# KiCad board pedalboard-display.kicad_pcb
title: Pedalboard Display; date: 2024-10-16; rev: 1.0.1-RC; company: https://github.com/pedalboard; note: Source Code: https://github.com/pedalboard/pedalboard-display; note: License: CERN Open Hardware Licence Version 2 - Permissive; note: Git commit: ${GIT_HASH}
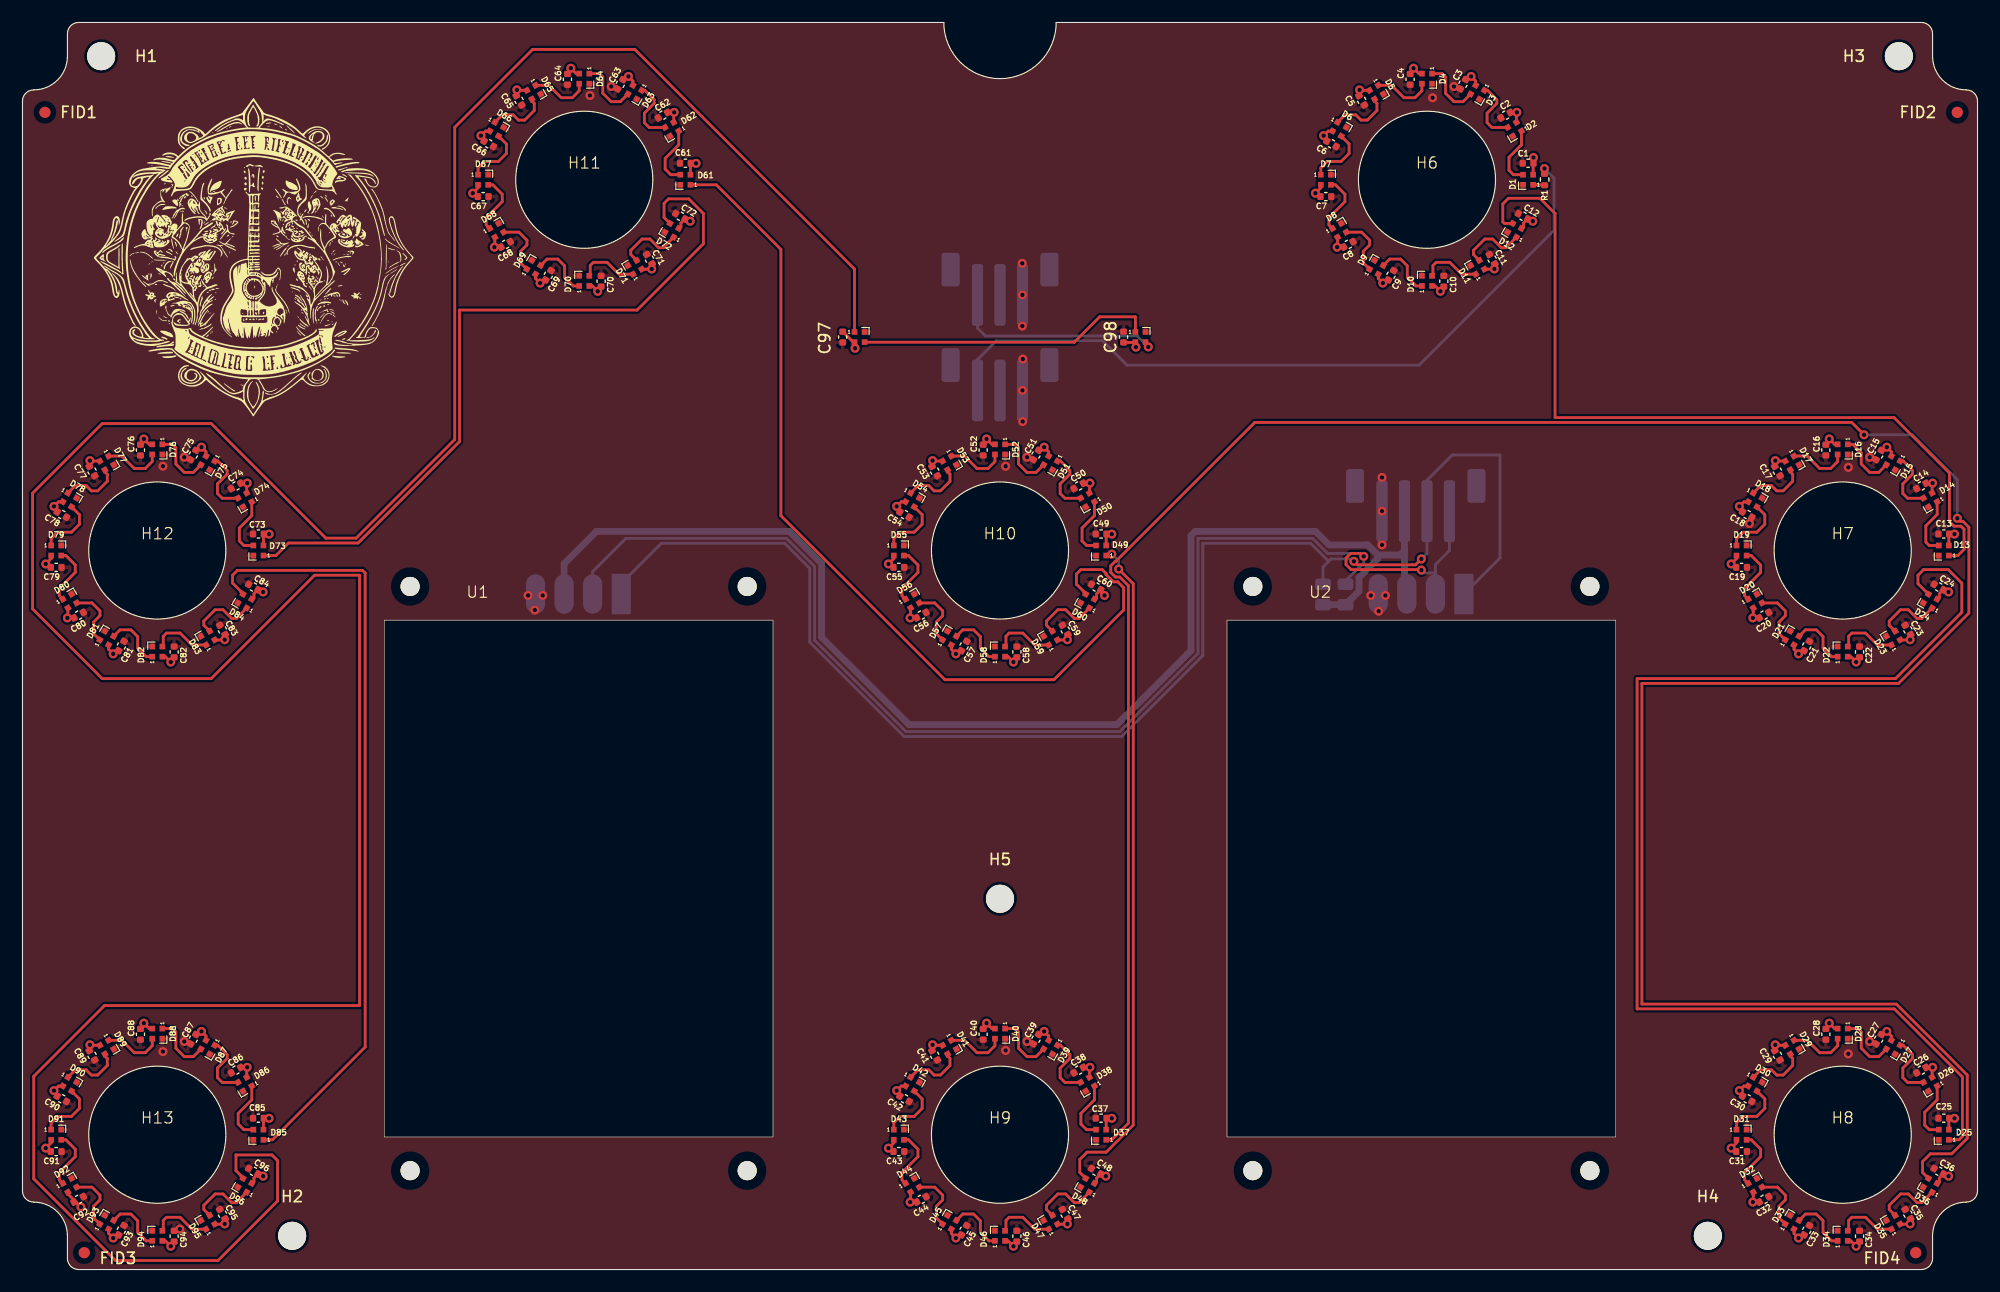
[diagram p0: board, top side]
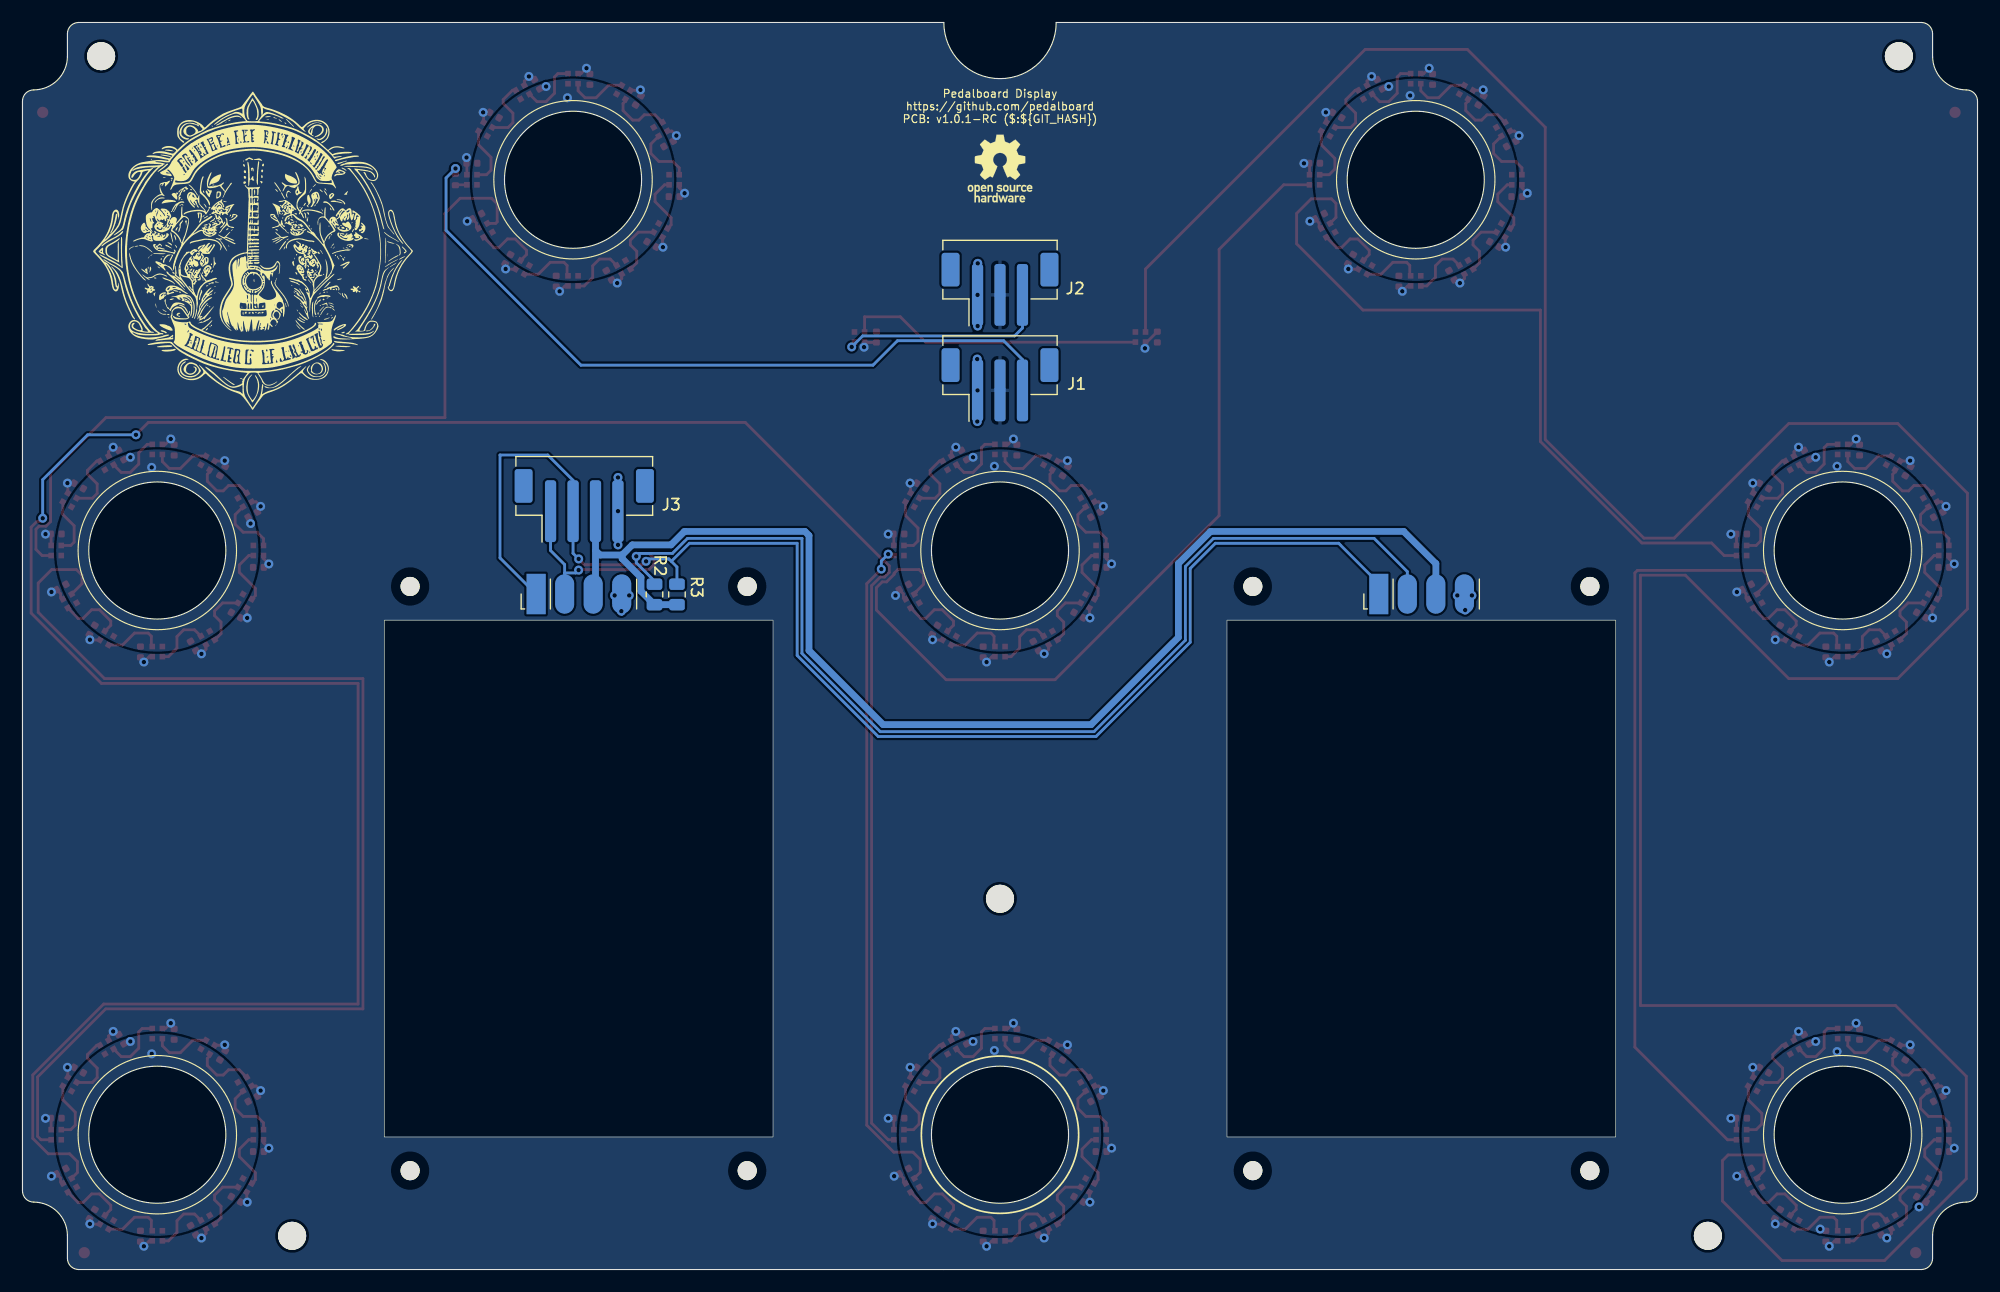
[diagram p1: board, bottom side, seen from below]

Outline 174 x 111 mm; copper layers: Top, Bottom. Coordinates in mm from the lower left corner of the outline.
Outline path: circle c12,64 r6.1 ; circle c12,12 r6.1 ; circle c50,97 r6.1 ; circle c87,64 r6.1 ; circle c87,12 r6.1 ; circle c125,97 r6.1 ; circle c162,64 r6.1 ; circle c162,12 r6.1 ; 0,104 arc(0.29,104.71) 1,105 arc(3.12,105.88) 4,108 4,110 arc(4.29,110.71) 5,111 82,111 arc(87,106) 92,111 169,111 arc(169.71,110.71) 170,110 170,108 arc(170.88,105.88) 173,105 arc(173.71,104.71) 174,104 174,7 arc(173.71,6.29) 173,6 arc(170.88,5.12) 170,3 170,1 arc(169.71,0.29) 169,0 5,0 arc(4.29,0.29) 4,1 4,3 arc(3.12,5.12) 1,6 arc(0.29,6.29) 0,7 0,104
Stack: Top 0.035mm / dielectric 1.51mm FR4 er 4.5 / Bottom 0.035mm

## Placement (name value [footprint] x y rotation side)
C1  1uF  [C_0402_1005Metric]  134 98.47 180 top
C2  1uF  [C_0402_1005Metric]  132 102.75 210 top
C3  1uF  [C_0402_1005Metric]  128.2 105.5 240 top
C4  1uF  [C_0402_1005Metric]  123.5 105.94 270 top
C5  1uF  [C_0402_1005Metric]  119.19 104.07 300 top
C6  1uF  [C_0402_1005Metric]  116.5 100.2 330 top
C7  1uF  [C_0402_1005Metric]  116 95.5 0 top
C8  1uF  [C_0402_1005Metric]  118 91.25 30 top
C9  1uF  [C_0402_1005Metric]  121.8 88.5 60 top
C10  1uF  [C_0402_1005Metric]  126.5 87.97 90 top
C11  1uF  [C_0402_1005Metric]  130.8 89.93 120 top
C12  1uF  [C_0402_1005Metric]  133.55 93.75 150 top
C13  1uF  [C_0402_1005Metric]  171 65.47 180 top
C14  1uF  [C_0402_1005Metric]  169 69.75 210 top
C15  1uF  [C_0402_1005Metric]  165.2 72.5 240 top
C16  1uF  [C_0402_1005Metric]  160.5 72.94 270 top
C17  1uF  [C_0402_1005Metric]  156.19 71.07 300 top
C18  1uF  [C_0402_1005Metric]  153.5 67.2 330 top
C19  1uF  [C_0402_1005Metric]  153 62.5 0 top
C20  1uF  [C_0402_1005Metric]  155 58.25 30 top
C21  1uF  [C_0402_1005Metric]  158.8 55.5 60 top
C22  1uF  [C_0402_1005Metric]  163.5 54.97 90 top
C23  1uF  [C_0402_1005Metric]  167.8 56.93 120 top
C24  1uF  [C_0402_1005Metric]  170.55 60.75 150 top
C25  1uF  [C_0402_1005Metric]  171 13.47 180 top
C26  1uF  [C_0402_1005Metric]  169 17.75 210 top
C27  1uF  [C_0402_1005Metric]  165.2 20.5 240 top
C28  1uF  [C_0402_1005Metric]  160.5 20.94 270 top
C29  1uF  [C_0402_1005Metric]  156.19 19.07 300 top
C30  1uF  [C_0402_1005Metric]  153.5 15.2 330 top
C31  1uF  [C_0402_1005Metric]  153 10.5 0 top
C32  1uF  [C_0402_1005Metric]  155 6.25 30 top
C33  1uF  [C_0402_1005Metric]  158.8 3.5 60 top
C34  1uF  [C_0402_1005Metric]  163.5 2.97 90 top
C35  1uF  [C_0402_1005Metric]  167.8 4.93 120 top
C36  1uF  [C_0402_1005Metric]  170.55 8.75 150 top
C37  1uF  [C_0402_1005Metric]  96 13.47 180 top
C38  1uF  [C_0402_1005Metric]  94 17.75 210 top
C39  1uF  [C_0402_1005Metric]  90.2 20.5 240 top
C40  1uF  [C_0402_1005Metric]  85.5 20.94 270 top
C41  1uF  [C_0402_1005Metric]  81.19 19.07 300 top
C42  1uF  [C_0402_1005Metric]  78.5 15.2 330 top
C43  1uF  [C_0402_1005Metric]  78 10.5 0 top
C44  1uF  [C_0402_1005Metric]  80 6.25 30 top
C45  1uF  [C_0402_1005Metric]  83.8 3.5 60 top
C46  1uF  [C_0402_1005Metric]  88.5 2.97 90 top
C47  1uF  [C_0402_1005Metric]  92.8 4.93 120 top
C48  1uF  [C_0402_1005Metric]  95.55 8.75 150 top
C49  1uF  [C_0402_1005Metric]  96 65.47 180 top
C50  1uF  [C_0402_1005Metric]  94 69.75 210 top
C51  1uF  [C_0402_1005Metric]  90.2 72.5 240 top
C52  1uF  [C_0402_1005Metric]  85.5 72.94 270 top
C53  1uF  [C_0402_1005Metric]  81.19 71.07 300 top
C54  1uF  [C_0402_1005Metric]  78.5 67.2 330 top
C55  1uF  [C_0402_1005Metric]  78 62.5 0 top
C56  1uF  [C_0402_1005Metric]  80 58.25 30 top
C57  1uF  [C_0402_1005Metric]  83.8 55.5 60 top
C58  1uF  [C_0402_1005Metric]  88.5 54.97 90 top
C59  1uF  [C_0402_1005Metric]  92.8 56.93 120 top
C60  1uF  [C_0402_1005Metric]  95.55 60.75 150 top
C61  1uF  [C_0402_1005Metric]  59 98.47 180 top
C62  1uF  [C_0402_1005Metric]  57 102.75 210 top
C63  1uF  [C_0402_1005Metric]  53.2 105.5 240 top
C64  1uF  [C_0402_1005Metric]  48.5 105.94 270 top
C65  1uF  [C_0402_1005Metric]  44.19 104.07 300 top
C66  1uF  [C_0402_1005Metric]  41.5 100.2 330 top
C67  1uF  [C_0402_1005Metric]  41 95.5 0 top
C68  1uF  [C_0402_1005Metric]  43 91.25 30 top
C69  1uF  [C_0402_1005Metric]  46.8 88.5 60 top
C70  1uF  [C_0402_1005Metric]  51.5 87.97 90 top
C71  1uF  [C_0402_1005Metric]  55.8 89.93 120 top
C72  1uF  [C_0402_1005Metric]  58.55 93.75 150 top
C73  1uF  [C_0402_1005Metric]  21 65.47 180 top
C74  1uF  [C_0402_1005Metric]  19 69.75 210 top
C75  1uF  [C_0402_1005Metric]  15.2 72.5 240 top
C76  1uF  [C_0402_1005Metric]  10.5 72.94 270 top
C77  1uF  [C_0402_1005Metric]  6.19 71.07 300 top
C78  1uF  [C_0402_1005Metric]  3.5 67.2 330 top
C79  1uF  [C_0402_1005Metric]  3 62.5 0 top
C80  1uF  [C_0402_1005Metric]  5 58.25 30 top
C81  1uF  [C_0402_1005Metric]  8.8 55.5 60 top
C82  1uF  [C_0402_1005Metric]  13.5 54.97 90 top
C83  1uF  [C_0402_1005Metric]  17.8 56.93 120 top
C84  1uF  [C_0402_1005Metric]  20.55 60.75 150 top
C85  1uF  [C_0402_1005Metric]  21 13.47 180 top
C86  1uF  [C_0402_1005Metric]  19 17.75 210 top
C87  1uF  [C_0402_1005Metric]  15.2 20.5 240 top
C88  1uF  [C_0402_1005Metric]  10.5 20.94 270 top
C89  1uF  [C_0402_1005Metric]  6.19 19.07 300 top
C90  1uF  [C_0402_1005Metric]  3.5 15.2 330 top
C91  1uF  [C_0402_1005Metric]  3 10.5 0 top
C92  1uF  [C_0402_1005Metric]  5 6.25 30 top
C93  1uF  [C_0402_1005Metric]  8.8 3.5 60 top
C94  1uF  [C_0402_1005Metric]  13.5 2.97 90 top
C95  1uF  [C_0402_1005Metric]  17.8 4.93 120 top
C96  1uF  [C_0402_1005Metric]  20.55 8.75 150 top
C97  1uF  [C_0402_1005Metric]  73 83 270 top
C98  1uF  [C_0402_1005Metric]  98 83 90 top
D1  SK6812_EC15  [LED_SK6812_EC15_1.5x1.5mm#2]  134 97 180 top
D2  SK6812_EC15  [LED_SK6812_EC15_1.5x1.5mm]  132.79 101.5 210 top
D3  SK6812_EC15  [LED_SK6812_EC15_1.5x1.5mm#3]  129.5 104.79 240 top
D4  SK6812_EC15  [LED_SK6812_EC15_1.5x1.5mm#2]  125 106 270 top
D5  SK6812_EC15  [LED_SK6812_EC15_1.5x1.5mm]  120.5 104.79 300 top
D6  SK6812_EC15  [LED_SK6812_EC15_1.5x1.5mm#3]  117.21 101.5 330 top
D7  SK6812_EC15  [LED_SK6812_EC15_1.5x1.5mm#2]  116 97 0 top
D8  SK6812_EC15  [LED_SK6812_EC15_1.5x1.5mm]  117.21 92.5 30 top
D9  SK6812_EC15  [LED_SK6812_EC15_1.5x1.5mm#3]  120.5 89.21 60 top
D10  SK6812_EC15  [LED_SK6812_EC15_1.5x1.5mm#2]  125 88 90 top
D11  SK6812_EC15  [LED_SK6812_EC15_1.5x1.5mm]  129.5 89.21 120 top
D12  SK6812_EC15  [LED_SK6812_EC15_1.5x1.5mm#3]  132.79 92.5 150 top
D13  SK6812_EC15  [LED_SK6812_EC15_1.5x1.5mm#2]  171 64 180 top
D14  SK6812_EC15  [LED_SK6812_EC15_1.5x1.5mm]  169.79 68.5 210 top
D15  SK6812_EC15  [LED_SK6812_EC15_1.5x1.5mm#3]  166.5 71.79 240 top
D16  SK6812_EC15  [LED_SK6812_EC15_1.5x1.5mm#2]  162 73 270 top
D17  SK6812_EC15  [LED_SK6812_EC15_1.5x1.5mm]  157.5 71.79 300 top
D18  SK6812_EC15  [LED_SK6812_EC15_1.5x1.5mm#3]  154.21 68.5 330 top
D19  SK6812_EC15  [LED_SK6812_EC15_1.5x1.5mm#2]  153 64 0 top
D20  SK6812_EC15  [LED_SK6812_EC15_1.5x1.5mm]  154.21 59.5 30 top
D21  SK6812_EC15  [LED_SK6812_EC15_1.5x1.5mm#3]  157.5 56.21 60 top
D22  SK6812_EC15  [LED_SK6812_EC15_1.5x1.5mm#2]  162 55 90 top
D23  SK6812_EC15  [LED_SK6812_EC15_1.5x1.5mm]  166.5 56.21 120 top
D24  SK6812_EC15  [LED_SK6812_EC15_1.5x1.5mm#3]  169.79 59.5 150 top
D25  SK6812_EC15  [LED_SK6812_EC15_1.5x1.5mm#2]  171 12 180 top
D26  SK6812_EC15  [LED_SK6812_EC15_1.5x1.5mm]  169.79 16.5 210 top
D27  SK6812_EC15  [LED_SK6812_EC15_1.5x1.5mm#3]  166.5 19.79 240 top
D28  SK6812_EC15  [LED_SK6812_EC15_1.5x1.5mm#2]  162 21 270 top
D29  SK6812_EC15  [LED_SK6812_EC15_1.5x1.5mm]  157.5 19.79 300 top
D30  SK6812_EC15  [LED_SK6812_EC15_1.5x1.5mm#3]  154.21 16.5 330 top
D31  SK6812_EC15  [LED_SK6812_EC15_1.5x1.5mm#2]  153 12 0 top
D32  SK6812_EC15  [LED_SK6812_EC15_1.5x1.5mm]  154.21 7.5 30 top
D33  SK6812_EC15  [LED_SK6812_EC15_1.5x1.5mm#3]  157.5 4.21 60 top
D34  SK6812_EC15  [LED_SK6812_EC15_1.5x1.5mm#2]  162 3 90 top
D35  SK6812_EC15  [LED_SK6812_EC15_1.5x1.5mm]  166.5 4.21 120 top
D36  SK6812_EC15  [LED_SK6812_EC15_1.5x1.5mm#3]  169.79 7.5 150 top
D37  SK6812_EC15  [LED_SK6812_EC15_1.5x1.5mm#2]  96 12 180 top
D38  SK6812_EC15  [LED_SK6812_EC15_1.5x1.5mm]  94.79 16.5 210 top
D39  SK6812_EC15  [LED_SK6812_EC15_1.5x1.5mm#3]  91.5 19.79 240 top
D40  SK6812_EC15  [LED_SK6812_EC15_1.5x1.5mm#2]  87 21 270 top
D41  SK6812_EC15  [LED_SK6812_EC15_1.5x1.5mm]  82.5 19.79 300 top
D42  SK6812_EC15  [LED_SK6812_EC15_1.5x1.5mm#3]  79.21 16.5 330 top
D43  SK6812_EC15  [LED_SK6812_EC15_1.5x1.5mm#2]  78 12 0 top
D44  SK6812_EC15  [LED_SK6812_EC15_1.5x1.5mm]  79.21 7.5 30 top
D45  SK6812_EC15  [LED_SK6812_EC15_1.5x1.5mm#3]  82.5 4.21 60 top
D46  SK6812_EC15  [LED_SK6812_EC15_1.5x1.5mm#2]  87 3 90 top
D47  SK6812_EC15  [LED_SK6812_EC15_1.5x1.5mm]  91.5 4.21 120 top
D48  SK6812_EC15  [LED_SK6812_EC15_1.5x1.5mm#3]  94.79 7.5 150 top
D49  SK6812_EC15  [LED_SK6812_EC15_1.5x1.5mm#2]  96 64 180 top
D50  SK6812_EC15  [LED_SK6812_EC15_1.5x1.5mm]  94.79 68.5 210 top
D51  SK6812_EC15  [LED_SK6812_EC15_1.5x1.5mm#3]  91.5 71.79 240 top
D52  SK6812_EC15  [LED_SK6812_EC15_1.5x1.5mm#2]  87 73 270 top
D53  SK6812_EC15  [LED_SK6812_EC15_1.5x1.5mm]  82.5 71.79 300 top
D54  SK6812_EC15  [LED_SK6812_EC15_1.5x1.5mm#3]  79.21 68.5 330 top
D55  SK6812_EC15  [LED_SK6812_EC15_1.5x1.5mm#2]  78 64 0 top
D56  SK6812_EC15  [LED_SK6812_EC15_1.5x1.5mm]  79.21 59.5 30 top
D57  SK6812_EC15  [LED_SK6812_EC15_1.5x1.5mm#3]  82.5 56.21 60 top
D58  SK6812_EC15  [LED_SK6812_EC15_1.5x1.5mm#2]  87 55 90 top
D59  SK6812_EC15  [LED_SK6812_EC15_1.5x1.5mm]  91.5 56.21 120 top
D60  SK6812_EC15  [LED_SK6812_EC15_1.5x1.5mm#3]  94.79 59.5 150 top
D61  SK6812_EC15  [LED_SK6812_EC15_1.5x1.5mm#2]  59 97 180 top
D62  SK6812_EC15  [LED_SK6812_EC15_1.5x1.5mm]  57.79 101.5 210 top
D63  SK6812_EC15  [LED_SK6812_EC15_1.5x1.5mm#3]  54.5 104.79 240 top
D64  SK6812_EC15  [LED_SK6812_EC15_1.5x1.5mm#2]  50 106 270 top
D65  SK6812_EC15  [LED_SK6812_EC15_1.5x1.5mm]  45.5 104.79 300 top
D66  SK6812_EC15  [LED_SK6812_EC15_1.5x1.5mm#3]  42.21 101.5 330 top
D67  SK6812_EC15  [LED_SK6812_EC15_1.5x1.5mm#2]  41 97 0 top
D68  SK6812_EC15  [LED_SK6812_EC15_1.5x1.5mm]  42.21 92.5 30 top
D69  SK6812_EC15  [LED_SK6812_EC15_1.5x1.5mm#3]  45.5 89.21 60 top
D70  SK6812_EC15  [LED_SK6812_EC15_1.5x1.5mm#2]  50 88 90 top
D71  SK6812_EC15  [LED_SK6812_EC15_1.5x1.5mm]  54.5 89.21 120 top
D72  SK6812_EC15  [LED_SK6812_EC15_1.5x1.5mm#3]  57.79 92.5 150 top
D73  SK6812_EC15  [LED_SK6812_EC15_1.5x1.5mm#2]  21 64 180 top
D74  SK6812_EC15  [LED_SK6812_EC15_1.5x1.5mm]  19.79 68.5 210 top
D75  SK6812_EC15  [LED_SK6812_EC15_1.5x1.5mm#3]  16.5 71.79 240 top
D76  SK6812_EC15  [LED_SK6812_EC15_1.5x1.5mm#2]  12 73 270 top
D77  SK6812_EC15  [LED_SK6812_EC15_1.5x1.5mm]  7.5 71.79 300 top
D78  SK6812_EC15  [LED_SK6812_EC15_1.5x1.5mm#3]  4.21 68.5 330 top
D79  SK6812_EC15  [LED_SK6812_EC15_1.5x1.5mm#2]  3 64 0 top
D80  SK6812_EC15  [LED_SK6812_EC15_1.5x1.5mm]  4.21 59.5 30 top
D81  SK6812_EC15  [LED_SK6812_EC15_1.5x1.5mm#3]  7.5 56.21 60 top
D82  SK6812_EC15  [LED_SK6812_EC15_1.5x1.5mm#2]  12 55 90 top
D83  SK6812_EC15  [LED_SK6812_EC15_1.5x1.5mm]  16.5 56.21 120 top
D84  SK6812_EC15  [LED_SK6812_EC15_1.5x1.5mm#3]  19.79 59.5 150 top
D85  SK6812_EC15  [LED_SK6812_EC15_1.5x1.5mm#2]  21 12 180 top
D86  SK6812_EC15  [LED_SK6812_EC15_1.5x1.5mm]  19.79 16.5 210 top
D87  SK6812_EC15  [LED_SK6812_EC15_1.5x1.5mm#3]  16.5 19.79 240 top
D88  SK6812_EC15  [LED_SK6812_EC15_1.5x1.5mm#2]  12 21 270 top
D89  SK6812_EC15  [LED_SK6812_EC15_1.5x1.5mm]  7.5 19.79 300 top
D90  SK6812_EC15  [LED_SK6812_EC15_1.5x1.5mm#3]  4.21 16.5 330 top
D91  SK6812_EC15  [LED_SK6812_EC15_1.5x1.5mm#2]  3 12 0 top
D92  SK6812_EC15  [LED_SK6812_EC15_1.5x1.5mm]  4.21 7.5 30 top
D93  SK6812_EC15  [LED_SK6812_EC15_1.5x1.5mm#3]  7.5 4.21 60 top
D94  SK6812_EC15  [LED_SK6812_EC15_1.5x1.5mm#2]  12 3 90 top
D95  SK6812_EC15  [LED_SK6812_EC15_1.5x1.5mm]  16.5 4.21 120 top
D96  SK6812_EC15  [LED_SK6812_EC15_1.5x1.5mm#3]  19.79 7.5 150 top
D97  SK6812_EC15  [LED_SK6812_EC15_1.5x1.5mm#2]  74.5 83 0 top
D98  SK6812_EC15  [LED_SK6812_EC15_1.5x1.5mm#2]  99.5 83 0 top
FID1  Fiducial  [Fiducial_1mm_Mask2mm]  2 103 0 top
FID2  Fiducial  [Fiducial_1mm_Mask2mm]  172.2 103 0 top
FID3  Fiducial  [Fiducial_1mm_Mask2mm]  5.5 1.5 0 top
FID4  Fiducial  [Fiducial_1mm_Mask2mm]  168.5 1.5 0 top
H1  MountingHole  [MountingHole_2.5mm]  7 108 0 top
H2  MountingHole  [MountingHole_2.5mm]  24 3 0 top
H3  MountingHole  [MountingHole_2.5mm]  167 108 0 top
H4  MountingHole  [MountingHole_2.5mm]  150 3 0 top
H5  MountingHole  [MountingHole_2.5mm]  87 33 0 top
H6  Actuator  [ActuatorRotary]  125 97 0 top
H7  -  [Actuator]  162 64 0 top
H8  -  [Actuator]  162 12 0 top
H9  -  [Actuator]  87 12 0 top
H10  -  [Actuator]  87 64 0 top
H11  Actuator  [ActuatorRotary]  50 97 0 top
H12  -  [Actuator]  12 64 0 top
H13  -  [Actuator]  12 12 0 top
J1  JST PH 3  [JST_PH_B3B-PH-SM4-TB_1x03-1MP_P2.00mm_Vertical]  87 78.75 180 bottom
J2  JST PH 3  [JST_PH_B3B-PH-SM4-TB_1x03-1MP_P2.00mm_Vertical]  87 87.25 180 bottom  (not fitted)
J3  JST PH 4  [JST_PH_B4B-PH-SM4-TB_1x04-1MP_P2.00mm_Vertical]  124 68 180 bottom
R1  330  [R_0402_1005Metric]  135.47 97.02 270 top
R2  3K3  [R_0805_2012Metric]  117.75 60.09 90 bottom  (not fitted)
R3  3K3  [R_0805_2012Metric]  115.75 60.09 90 bottom  (not fitted)
SYM1  Logo_Open_Hardware_Small  [OSHW-Logo_5.7x6mm_SilkScreen]  87 98 180 bottom
U1  OLED I2C  [OLED_128x128]  49.5 34.8 0 top
U2  OLED I2C  [OLED_128x128]  124.5 34.8 0 top

## Library data of the parts
C1-C98 = -: Datasheet: https://media.digikey.com/pdf/Data%20Sheets/Samsung%20PDFs/CL_Series_MLCC_ds.pdf; Supplier: https://www.digikey.ch/de/products/detail/samsung-electro-mechanics/CL05A105KP5NNNC/3886734; ki_fp_filters: C_*
D1-D98 = -: Datasheet: https://www.inolux-corp.com/datasheet/SMDLED/Addressable%20LED/IN-PI15TAT5R5G5B_v1.0.pdf; Supplier: https://www.digikey.ch/en/products/detail/inolux/IN-PI15TAT5R5G5B/14555725; ki_fp_filters: LED*SK6812*PLCC*1.5x1.5mm
FID1-FID4 = -: ki_fp_filters: Fiducial*
H1-H13 = -: Description: Mounting Hole without connection; ki_fp_filters: MountingHole*
J1 J2 = -: Datasheet: https://www.jst-mfg.com/product/pdf/eng/ePH.pdf; Supplier: https://www.digikey.ch/de/products/detail/jst-sales-america-inc/B3B-PH-SM4-TB/926832; ki_fp_filters: Connector*:*_1x??_*
J3 = -: Datasheet: https://www.jst-mfg.com/product/pdf/eng/ePH.pdf; Description: Generic connector, single row, 01x04, script generated; Supplier: https://www.digikey.ch/de/products/detail/jst-sales-america-inc./B4B-PH-SM4-TB/926833; ki_fp_filters: Connector*:*_1x??_*
R1 = -: Datasheet: https://www.passivecomponent.com/wp-content/uploads/chipR/ASC_WR.pdf; Supplier: https://www.digikey.ch/en/products/detail/walsin-technology-corporation/WR04X3300FTL/13239224; ki_fp_filters: R_*
R2 R3 = -: Datasheet: https://www.seielect.com/catalog/sei-rmcf_rmcp.pdf; Description: Resistor; Supplier: https://www.digikey.ch/en/products/detail/stackpole-electronics-inc/RMCF0805FT3K30/1760325; ki_fp_filters: R_*
SYM1 = -: Description: Open Hardware logo, small
U1 U2 = -: Datasheet: img/GME12812.pdf; Supplier: https://www.aliexpress.com/item/1005005253671396.html
